# KiCad board Encoder_SPI_AS5047P_panel.kicad_pcb (continued)
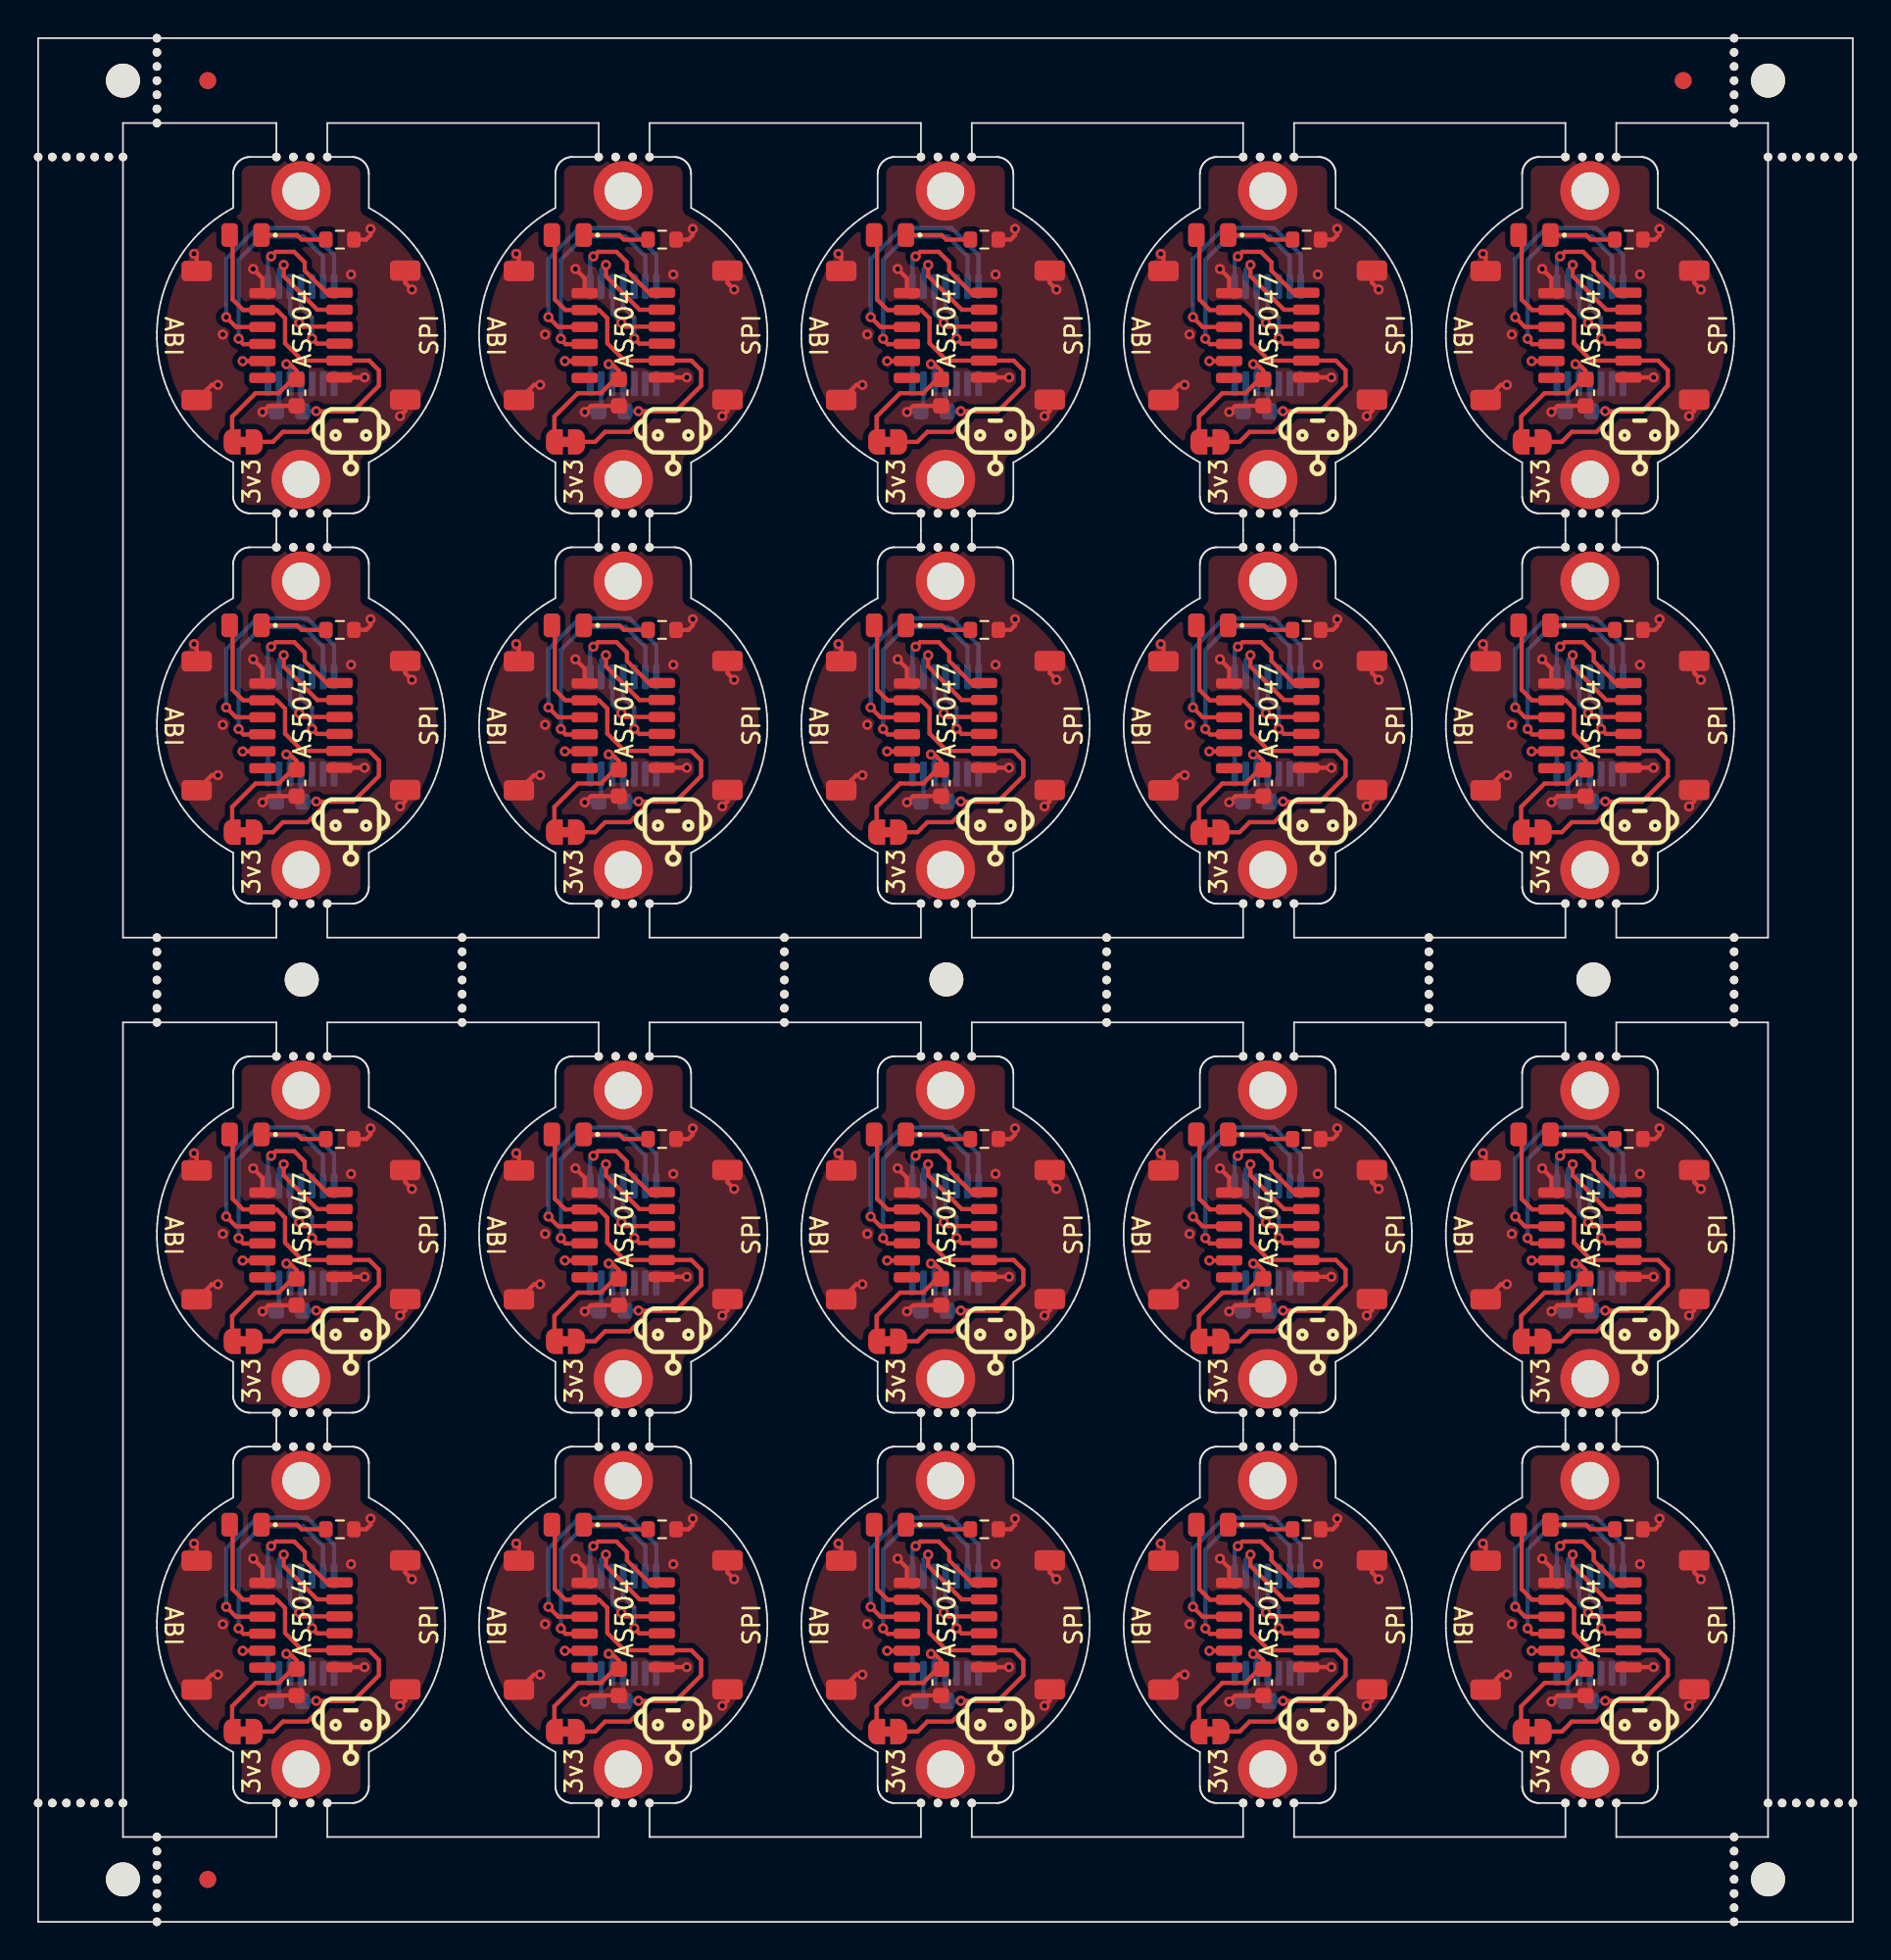
[diagram p0: board, top side]
## Placement (name value [footprint] x y rotation side) (continued)
REF**#95  -  [NPTH]  91.05 81 0 top
REF**#96  -  [NPTH]  72.05 30 0 top
REF**#97  -  [NPTH]  93.05 104 0 top
REF**#98  -  [NPTH]  103.66 7 0 top
REF**#99  -  [NPTH]  73.05 83 0 top
REF**#100  -  [NPTH]  7 110.17 0 top
REF**#101  -  [NPTH#2]  15.54 55.52 0 top
REF**#102  -  [NPTH]  99.99 107.67 0 top
REF**#103  -  [NPTH]  63 57.17 0 top
REF**#104  -  [NPTH]  7 54.67 0 top
REF**#105  -  [NPTH]  55.05 28 0 top
REF**#106  -  [NPTH]  15.05 104 0 top
REF**#107  -  [NPTH]  71.05 28 0 top
REF**#108  -  [NPTH]  73.05 28 0 top
REF**#109  -  [NPTH]  99.99 1.67 0 top
REF**#110  -  [NPTH]  34.05 83 0 top
REF**#111  -  [NPTH]  15.05 51 0 top
REF**#112  -  [NPTH]  73.05 81 0 top
REF**#113  -  [NPTH]  99.99 4.17 0 top
REF**#114  -  [NPTH]  72.05 81 0 top
REF**#115  -  [NPTH]  15.05 81 0 top
REF**#116  -  [NPTH]  55.05 7 0 top
REF**#117  -  [NPTH]  53.05 7 0 top
REF**#118  -  [NPTH]  99.99 3.33 0 top
REF**#119  -  [NPTH]  2.5 7 0 top
REF**#120  -  [NPTH]  7 106.83 0 top
REF**#121  -  [NPTH]  99.99 5 0 top
REF**#122  -  [NPTH]  82 53 0 top
REF**#123  -  [NPTH]  52.05 51 0 top
REF**#124  -  [NPTH]  73.05 60 0 top
REF**#125  -  [NPTH]  25 56.33 0 top
REF**#126  -  [NPTH]  99.99 106 0 top
REF**#127  -  [NPTH]  74.05 28 0 top
REF**#128  -  [NPTH]  36.05 28 0 top
REF**#129  -  [NPTH]  71.05 51 0 top
REF**#130  -  [NPTH]  16.05 81 0 top
REF**#131  -  [NPTH]  35.05 83 0 top
REF**#132  -  [NPTH]  63 53 0 top
REF**#133  -  [NPTH]  92.05 81 0 top
REF**#134  -  [NPTH#2]  53.55 55.53 0 top
REF**#135  -  [NPTH]  36.05 30 0 top
REF**#136  -  [NPTH]  93.05 7 0 top
REF**#137  -  [NPTH]  16.05 60 0 top
REF**#138  -  [NPTH]  72.05 104 0 top
REF**#139  -  [NPTH]  99.99 0 0 top
REF**#140  -  [NPTH]  15.05 30 0 top
REF**#141  -  [NPTH]  7 106 0 top
REF**#142  -  [NPTH]  15.05 60 0 top
REF**#143  -  [NPTH]  36.05 104 0 top
REF**#144  -  [NPTH]  7 57.17 0 top
REF**#145  -  [NPTH]  4.17 7 0 top
REF**#146  -  [NPTH]  99.99 53 0 top
REF**#147  -  [NPTH]  3.33 7 0 top
REF**#148  -  [NPTH]  1.67 7 0 top
REF**#149  -  [NPTH]  99.99 58 0 top
REF**#150  -  [NPTH]  90.05 51 0 top
REF**#151  -  [NPTH]  52.05 7 0 top
REF**#152  -  [NPTH]  99.99 2.5 0 top
REF**#153  -  [NPTH]  33.05 60 0 top
REF**#154  -  [NPTH]  90.05 30 0 top
REF**#155  -  [NPTH]  93.05 30 0 top
REF**#156  -  [NPTH]  63 58 0 top
REF**#157  -  [NPTH]  33.05 51 0 top
REF**#158  -  [NPTH]  92.05 83 0 top
REF**#159  -  [NPTH]  34.05 7 0 top
REF**#160  -  [NPTH]  7 1.67 0 top
REF**#161  -  [NPTH]  7 4.17 0 top
REF**#162  -  [NPTH]  74.05 83 0 top
REF**#163  -  [NPTH]  91.05 30 0 top
REF**#164  -  [NPTH]  44 58 0 top
REF**#165  -  [NPTH]  36.05 83 0 top
REF**#166  -  [NPTH]  82 56.33 0 top
REF**#167  -  [NPTH]  36.05 81 0 top
REF**#168  -  [NPTH]  73.05 30 0 top
REF**#169  -  [NPTH]  93.05 60 0 top
REF**#170  -  [NPTH]  74.05 81 0 top
REF**#171  -  [NPTH]  63 53.83 0 top
REF**#172  -  [NPTH]  34.05 51 0 top
REF**#173  -  [NPTH]  52.05 104 0 top
REF**#174  -  [NPTH]  55.05 83 0 top
REF**#175  -  [NPTH]  52.05 60 0 top
REF**#176  -  [NPTH]  73.05 104 0 top
REF**#177  -  [NPTH]  90.05 81 0 top
REF**#178  -  [Fiducial]  10 108.5 0 top
REF**#179  -  [NPTH]  16.05 30 0 top
REF**#180  -  [NPTH]  55.05 60 0 top
REF**#181  -  [NPTH]  16.05 83 0 top
REF**#182  -  [NPTH]  99.99 54.67 0 top
REF**#183  -  [NPTH]  106.16 104 0 top
REF**#184  -  [NPTH]  52.05 28 0 top
REF**#185  -  [NPTH]  90.05 60 0 top
REF**#186  -  [NPTH]  106.16 7 0 top
REF**#187  -  [NPTH]  7 2.5 0 top
REF**#188  -  [NPTH]  14.05 51 0 top
REF**#189  -  [NPTH]  17.05 81 0 top
REF**#190  -  [NPTH]  52.05 83 0 top
REF**#191  -  [NPTH]  14.05 60 0 top
REF**#192  -  [NPTH]  14.05 28 0 top
REF**#193  -  [NPTH]  17.05 30 0 top
REF**#194  -  [NPTH]  82 53.83 0 top
REF**#195  -  [NPTH]  93.05 83 0 top
REF**#196  -  [NPTH]  25 53.83 0 top
REF**#197  -  [NPTH]  14.05 104 0 top
REF**#198  -  [NPTH]  17.05 7 0 top
REF**#199  -  [NPTH]  92.05 60 0 top
REF**#200  -  [NPTH]  33.05 7 0 top
REF**#201  -  [NPTH]  17.05 51 0 top
REF**#202  -  [NPTH]  16.05 104 0 top
REF**#203  -  [NPTH]  25 57.17 0 top
REF**#204  -  [NPTH]  25 53 0 top
REF**#205  -  [NPTH]  33.05 30 0 top
REF**#206  -  [NPTH]  91.05 60 0 top
REF**#207  -  [NPTH]  71.05 81 0 top
REF**#208  -  [NPTH]  74.05 60 0 top
REF**#209  -  [NPTH]  99.99 109.33 0 top
REF**#210  -  [NPTH]  7 58 0 top
REF**#211  -  [NPTH#2]  5 2.5 0 top
REF**#212  -  [NPTH]  44 53.83 0 top
REF**#213  -  [NPTH]  90.05 104 0 top
REF**#214  -  [NPTH]  82 58 0 top
REF**#215  -  [NPTH]  5 7 0 top
REF**#216  -  [NPTH]  90.05 28 0 top
REF**#217  -  [NPTH]  33.05 104 0 top
REF**#218  -  [NPTH]  35.05 81 0 top
REF**#219  -  [NPTH]  36.05 51 0 top
REF**#220  -  [NPTH]  7 111 0 top
REF**#221  -  [Fiducial]  10 2.5 0 top
REF**#222  -  [NPTH]  25 55.5 0 top
REF**#223  -  [NPTH]  7 107.67 0 top
REF**#224  -  [NPTH]  7 55.5 0 top
REF**#225  -  [NPTH]  72.05 7 0 top
REF**#226  -  [NPTH]  99.99 108.5 0 top
REF**#227  -  [NPTH]  73.05 7 0 top
REF**#228  -  [NPTH]  7 3.33 0 top
REF**#229  -  [NPTH]  33.05 81 0 top
REF**#230  -  [NPTH]  63 56.33 0 top
REF**#231  -  [NPTH]  53.05 51 0 top
REF**#232  -  [NPTH]  53.05 30 0 top
REF**#233  -  [NPTH]  92.05 7 0 top
REF**#234  -  [NPTH]  55.05 51 0 top
REF**#235  -  [NPTH]  17.05 104 0 top
REF**#236  -  [NPTH]  54.05 28 0 top
REF**#237  -  [NPTH]  102.83 7 0 top
REF**#238  -  [NPTH]  36.05 7 0 top
REF**#239  -  [NPTH]  82 54.67 0 top
REF**#240  -  [NPTH]  7 108.5 0 top
REF**#241  -  [NPTH]  99.99 110.17 0 top
REF**#242  -  [NPTH]  72.05 51 0 top
REF**#243  -  [NPTH]  34.05 81 0 top
REF**#244  -  [NPTH]  90.05 83 0 top
REF**#245  -  [NPTH]  71.05 30 0 top
REF**#246  -  [NPTH]  72.05 28 0 top
REF**#247  -  [NPTH]  14.05 30 0 top
REF**#248  -  [NPTH]  54.05 51 0 top
REF**#249  -  [NPTH]  7 109.33 0 top
REF**#250  -  [NPTH]  17.05 83 0 top
REF**#251  -  [NPTH]  53.05 104 0 top
REF**#252  -  [NPTH]  74.05 104 0 top
REF**#253  -  [NPTH]  14.05 83 0 top
REF**#254  -  [NPTH]  74.05 7 0 top
REF**#255  -  [NPTH]  102.83 104 0 top
REF**#256  -  [NPTH]  5 104 0 top
REF**#257  -  [NPTH]  34.05 28 0 top
REF**#258  -  [NPTH#2]  101.99 2.5 0 top
REF**#259  -  [NPTH]  99.99 111 0 top
REF**#260  -  [Fiducial]  96.99 108.5 0 top
REF**#261  -  [NPTH]  55.05 30 0 top
REF**#262  -  [NPTH]  2.5 104 0 top
REF**#263  -  [NPTH]  34.05 60 0 top
REF**#264  -  [NPTH]  53.05 81 0 top
REF**#265  -  [NPTH]  92.05 28 0 top
REF**#266  -  [NPTH]  15.05 83 0 top
REF**#267  -  [NPTH]  36.05 60 0 top
REF**#268  -  [NPTH#2]  101.99 108.5 0 top
REF**#269  -  [Fiducial]  96.99 108.5 0 bottom
REF**#270  -  [Fiducial]  10 2.5 0 bottom
REF**#271  -  [Fiducial]  10 108.5 0 bottom
U2  AS5047D  [TSSOP-14_4.4x5mm_P0.65mm]  34.5 40.5 270 bottom
U2#2  AS5047D  [TSSOP-14_4.4x5mm_P0.65mm]  15.5 40.5 270 bottom
U2#3  AS5047D  [TSSOP-14_4.4x5mm_P0.65mm]  53.5 40.5 270 bottom
U2#4  AS5047D  [TSSOP-14_4.4x5mm_P0.65mm]  72.5 40.5 270 bottom
U2#5  AS5047D  [TSSOP-14_4.4x5mm_P0.65mm]  91.5 40.5 270 bottom
U2#6  AS5047D  [TSSOP-14_4.4x5mm_P0.65mm]  15.5 70.5 270 bottom
U2#7  AS5047D  [TSSOP-14_4.4x5mm_P0.65mm]  91.5 93.5 270 bottom
U2#8  AS5047D  [TSSOP-14_4.4x5mm_P0.65mm]  53.5 17.5 270 bottom
U2#9  AS5047D  [TSSOP-14_4.4x5mm_P0.65mm]  53.5 70.5 270 bottom
U2#10  AS5047D  [TSSOP-14_4.4x5mm_P0.65mm]  15.5 17.5 270 bottom
U2#11  AS5047D  [TSSOP-14_4.4x5mm_P0.65mm]  34.5 93.5 270 bottom
U2#12  AS5047D  [TSSOP-14_4.4x5mm_P0.65mm]  34.5 17.5 270 bottom
U2#13  AS5047D  [TSSOP-14_4.4x5mm_P0.65mm]  15.5 93.5 270 bottom
U2#14  AS5047D  [TSSOP-14_4.4x5mm_P0.65mm]  91.5 17.5 270 bottom
U2#15  AS5047D  [TSSOP-14_4.4x5mm_P0.65mm]  34.5 70.5 270 bottom
U2#16  AS5047D  [TSSOP-14_4.4x5mm_P0.65mm]  72.5 70.5 270 bottom
U2#17  AS5047D  [TSSOP-14_4.4x5mm_P0.65mm]  72.5 93.5 270 bottom
U2#18  AS5047D  [TSSOP-14_4.4x5mm_P0.65mm]  91.5 70.5 270 bottom
U2#19  AS5047D  [TSSOP-14_4.4x5mm_P0.65mm]  53.5 93.5 270 bottom
U2#20  AS5047D  [TSSOP-14_4.4x5mm_P0.65mm]  72.5 17.5 270 bottom

## Library data of the parts
C1 C1#2-C1#20 C2 C2#2-C2#20 = -: Description: Unpolarized capacitor, small symbol
D1 D1#2-D1#20 = -: Description: Light emitting diode, small symbol; Notes: inexpensive green LED please
H1 H1#2-H1#20 H2 H2#2-H2#20 = -: Description: Mounting Hole with connection
J1 J1#2-J1#20 = -: Description: Generic connectable mounting pin connector, single row, 01x06, script generated (kicad-library-utils/schlib/autogen/connector/); Manu: Scondar Electronic Limited; Notes: JST SH_SM06B-SRSS-TB_1x06-1MP_P1.00mm_Horizontal or compatible; Part: SCT-WR-S-06P; Port: SPI
J2 J2#2-J2#20 = -: Description: Generic connectable mounting pin connector, single row, 01x06, script generated (kicad-library-utils/schlib/autogen/connector/); Manu: Scondar Electronic Limited; Notes: JST SH_SM06B-SRSS-TB_1x06-1MP_P1.00mm_Horizontal or compatible; Part: SCT-WR-S-06P; Port: ABI
JP1 JP1#2-JP1#20 = -: Description: Solder Jumper, 2-pole, closed/bridged
R1 R1#2-R1#20 = -: Description: Resistor, small symbol; Manu: Generic; Part: Generic 2k2 Resistor
U2 U2#2-U2#20 = -: Description: On-Axis Magnetic Position Sensor, 14-bit, PWM Output, ABI Output, UVW Output, SPI Interface, TSSOP-14

## Footprints (pads in the part's own frame, mm; a bottom-side part is the same pattern mirrored in y, then rotated)
C_0603_1608Metric
  rrect 0.9x0.95 smd: 1(-0.775,0) 2(0.775,0)
Fiducial
  round 1 smd: (0,0)
JST_SH_SM06B-SRSS-TB_1x06-1MP_P1.00mm_Horizontal
  rrect 0.6x1.55 smd: 1(-2.5,2) 2(-1.5,2) 3(-0.5,2) 4(0.5,2) 5(1.5,2) 6(2.5,2)
  rrect 1.2x1.8 smd: MP(-3.8,-1.875) MP(3.8,-1.875)
LED_0805_2012Metric
  rrect 0.975x1.4 smd: 1(-0.938,0) 2(0.938,0)
MountingHole_2.2mm_M2_ISO7380_Pad
  round 3.5 hole 2.2: 1(0,0)
NPTH
  round 0.5 hole 0.5 unplated: (0,0)
NPTH#2
  round 2 hole 2 unplated: (0,0)
R_0603_1608Metric
  rrect 0.8x0.95 smd: 1(-0.825,0) 2(0.825,0)
SolderJumper-2_P1.3mm_Bridged_RoundedPad1.0x1.5mm
  custom 1x1.5 smd: 1(-0.65,0) 2(0.65,0)
TSSOP-14_4.4x5mm_P0.65mm
  rrect 1.475x0.4 smd: 1(-2.862,1.95) 2(-2.862,1.3) 3(-2.862,0.65) 4(-2.862,0) 5(-2.862,-0.65) 6(-2.862,-1.3) 7(-2.862,-1.95) 8(2.862,-1.95) 9(2.862,-1.3) 10(2.862,-0.65) 11(2.862,0) 12(2.862,0.65) 13(2.862,1.3) 14(2.862,1.95)

## Nets
Board_0-/3v3: C1#8.2 JP1#7.1 U2#13.12
Board_1-/3v3: C1#19.2 JP1#19.1 U2#11.12
Board_2-/3v3: C1#6.2 JP1#17.1 U2#19.12
Board_3-/3v3: C1#5.2 JP1#8.1 U2#17.12
Board_4-/3v3: C1#15.2 JP1.1 U2#7.12
Board_5-/3v3: C1#11.2 JP1#18.1 U2#6.12
Board_6-/3v3: C1#10.2 JP1#3.1 U2#15.12
Board_7-/3v3: C1#12.2 JP1#10.1 U2#9.12
Board_8-/3v3: C1#14.2 JP1#13.1 U2#16.12
Board_9-/3v3: C1#20.2 JP1#5.1 U2#18.12
Board_10-/3v3: C1#9.2 JP1#12.1 U2#2.12
Board_11-/3v3: C1.2 JP1#14.1 U2.12
Board_12-/3v3: C1#16.2 JP1#6.1 U2#3.12
Board_13-/3v3: C1#18.2 JP1#2.1 U2#4.12
Board_14-/3v3: C1#7.2 JP1#4.1 U2#5.12
Board_15-/3v3: C1#3.2 JP1#16.1 U2#10.12
Board_16-/3v3: C1#13.2 JP1#15.1 U2#12.12
Board_17-/3v3: C1#2.2 JP1#9.1 U2#8.12
Board_18-/3v3: C1#4.2 JP1#11.1 U2#20.12
Board_19-/3v3: C1#17.2 JP1#20.1 U2#14.12
Board_0-/A: J2#17.3 U2#13.7
Board_0-/B: J2#17.4 U2#13.6
Board_0-/I: J2#17.5 U2#13.14
Board_0-/MISO: J1.4 U2#13.3
Board_0-/MOSI: J1.3 U2#13.4
Board_0-/nCS: J1.6 U2#13.1
Board_0-/SCK: J1.5 U2#13.2
Board_0-GND: C1#8.1 C2#7.1 H1#12.1 H2#4.1 J1.1 J1.MP J2#17.1 J2#17.MP R1#3.2 U2#13.5 U2#13.13
Board_0-Net-(D1-K): D1#6.1 R1#3.1
Board_0-unconnected-(J2-Pin_6-Pad6): J2#17.6
Board_0-unconnected-(U2-U-Pad10): U2#13.10
Board_0-unconnected-(U2-V-Pad9): U2#13.9
Board_0-unconnected-(U2-W/PWM-Pad8): U2#13.8
Board_0-VCC: C2#7.2 D1#6.2 J1.2 J2#17.2 JP1#7.2 U2#13.11
Board_1-/A: J2#14.3 U2#11.7
Board_1-/B: J2#14.4 U2#11.6
Board_1-/I: J2#14.5 U2#11.14
Board_1-/MISO: J1#6.4 U2#11.3
Board_1-/MOSI: J1#6.3 U2#11.4
Board_1-/nCS: J1#6.6 U2#11.1
Board_1-/SCK: J1#6.5 U2#11.2
Board_1-GND: C1#19.1 C2#9.1 H1#10.1 H2#11.1 J1#6.1 J1#6.MP J2#14.1 J2#14.MP R1#9.2 U2#11.5 U2#11.13
Board_1-Net-(D1-K): D1#4.1 R1#9.1
Board_1-unconnected-(J2-Pin_6-Pad6): J2#14.6
Board_1-unconnected-(U2-U-Pad10): U2#11.10
Board_1-unconnected-(U2-V-Pad9): U2#11.9
Board_1-unconnected-(U2-W/PWM-Pad8): U2#11.8
Board_1-VCC: C2#9.2 D1#4.2 J1#6.2 J2#14.2 JP1#19.2 U2#11.11
Board_2-/A: J2#7.3 U2#19.7
Board_2-/B: J2#7.4 U2#19.6
Board_2-/I: J2#7.5 U2#19.14
Board_2-/MISO: J1#9.4 U2#19.3
Board_2-/MOSI: J1#9.3 U2#19.4
Board_2-/nCS: J1#9.6 U2#19.1
Board_2-/SCK: J1#9.5 U2#19.2
Board_2-GND: C1#6.1 C2#5.1 H1#13.1 H2#7.1 J1#9.1 J1#9.MP J2#7.1 J2#7.MP R1#7.2 U2#19.5 U2#19.13
Board_2-Net-(D1-K): D1#19.1 R1#7.1
Board_2-unconnected-(J2-Pin_6-Pad6): J2#7.6
Board_2-unconnected-(U2-U-Pad10): U2#19.10
Board_2-unconnected-(U2-V-Pad9): U2#19.9
Board_2-unconnected-(U2-W/PWM-Pad8): U2#19.8
Board_2-VCC: C2#5.2 D1#19.2 J1#9.2 J2#7.2 JP1#17.2 U2#19.11
Board_3-/A: J2#15.3 U2#17.7
Board_3-/B: J2#15.4 U2#17.6
Board_3-/I: J2#15.5 U2#17.14
Board_3-/MISO: J1#10.4 U2#17.3
Board_3-/MOSI: J1#10.3 U2#17.4
Board_3-/nCS: J1#10.6 U2#17.1
Board_3-/SCK: J1#10.5 U2#17.2
Board_3-GND: C1#5.1 C2#18.1 H1#18.1 H2#3.1 J1#10.1 J1#10.MP J2#15.1 J2#15.MP R1#4.2 U2#17.5 U2#17.13
Board_3-Net-(D1-K): D1#12.1 R1#4.1
Board_3-unconnected-(J2-Pin_6-Pad6): J2#15.6
Board_3-unconnected-(U2-U-Pad10): U2#17.10
Board_3-unconnected-(U2-V-Pad9): U2#17.9
Board_3-unconnected-(U2-W/PWM-Pad8): U2#17.8
Board_3-VCC: C2#18.2 D1#12.2 J1#10.2 J2#15.2 JP1#8.2 U2#17.11
Board_4-/A: J2#2.3 U2#7.7
Board_4-/B: J2#2.4 U2#7.6
Board_4-/I: J2#2.5 U2#7.14
Board_4-/MISO: J1#14.4 U2#7.3
Board_4-/MOSI: J1#14.3 U2#7.4
Board_4-/nCS: J1#14.6 U2#7.1
Board_4-/SCK: J1#14.5 U2#7.2
Board_4-GND: C1#15.1 C2.1 H1#6.1 H2#5.1 J1#14.1 J1#14.MP J2#2.1 J2#2.MP R1#17.2 U2#7.5 U2#7.13
Board_4-Net-(D1-K): D1#2.1 R1#17.1
Board_4-unconnected-(J2-Pin_6-Pad6): J2#2.6
Board_4-unconnected-(U2-U-Pad10): U2#7.10
Board_4-unconnected-(U2-V-Pad9): U2#7.9
Board_4-unconnected-(U2-W/PWM-Pad8): U2#7.8
Board_4-VCC: C2.2 D1#2.2 J1#14.2 J2#2.2 JP1.2 U2#7.11
Board_5-/A: J2#8.3 U2#6.7
Board_5-/B: J2#8.4 U2#6.6
Board_5-/I: J2#8.5 U2#6.14
Board_5-/MISO: J1#19.4 U2#6.3
Board_5-/MOSI: J1#19.3 U2#6.4
Board_5-/nCS: J1#19.6 U2#6.1
Board_5-/SCK: J1#19.5 U2#6.2
Board_5-GND: C1#11.1 C2#3.1 H1#3.1 H2#6.1 J1#19.1 J1#19.MP J2#8.1 J2#8.MP R1#14.2 U2#6.5 U2#6.13
Board_5-Net-(D1-K): D1#18.1 R1#14.1
Board_5-unconnected-(J2-Pin_6-Pad6): J2#8.6
Board_5-unconnected-(U2-U-Pad10): U2#6.10
Board_5-unconnected-(U2-V-Pad9): U2#6.9
Board_5-unconnected-(U2-W/PWM-Pad8): U2#6.8
Board_5-VCC: C2#3.2 D1#18.2 J1#19.2 J2#8.2 JP1#18.2 U2#6.11
Board_6-/A: J2#5.3 U2#15.7
Board_6-/B: J2#5.4 U2#15.6
Board_6-/I: J2#5.5 U2#15.14
Board_6-/MISO: J1#2.4 U2#15.3
Board_6-/MOSI: J1#2.3 U2#15.4
Board_6-/nCS: J1#2.6 U2#15.1
Board_6-/SCK: J1#2.5 U2#15.2
Board_6-GND: C1#10.1 C2#20.1 H1#17.1 H2#8.1 J1#2.1 J1#2.MP J2#5.1 J2#5.MP R1#11.2 U2#15.5 U2#15.13
Board_6-Net-(D1-K): D1#5.1 R1#11.1
Board_6-unconnected-(J2-Pin_6-Pad6): J2#5.6
Board_6-unconnected-(U2-U-Pad10): U2#15.10
Board_6-unconnected-(U2-V-Pad9): U2#15.9
Board_6-unconnected-(U2-W/PWM-Pad8): U2#15.8
Board_6-VCC: C2#20.2 D1#5.2 J1#2.2 J2#5.2 JP1#3.2 U2#15.11
Board_7-/A: J2#16.3 U2#9.7
Board_7-/B: J2#16.4 U2#9.6
Board_7-/I: J2#16.5 U2#9.14
Board_7-/MISO: J1#12.4 U2#9.3
Board_7-/MOSI: J1#12.3 U2#9.4
Board_7-/nCS: J1#12.6 U2#9.1
Board_7-/SCK: J1#12.5 U2#9.2
Board_7-GND: C1#12.1 C2#10.1 H1#14.1 H2#20.1 J1#12.1 J1#12.MP J2#16.1 J2#16.MP R1#15.2 U2#9.5 U2#9.13
Board_7-Net-(D1-K): D1#9.1 R1#15.1
Board_7-unconnected-(J2-Pin_6-Pad6): J2#16.6
Board_7-unconnected-(U2-U-Pad10): U2#9.10
Board_7-unconnected-(U2-V-Pad9): U2#9.9
Board_7-unconnected-(U2-W/PWM-Pad8): U2#9.8
Board_7-VCC: C2#10.2 D1#9.2 J1#12.2 J2#16.2 JP1#10.2 U2#9.11
Board_8-/A: J2#20.3 U2#16.7
Board_8-/B: J2#20.4 U2#16.6
Board_8-/I: J2#20.5 U2#16.14
Board_8-/MISO: J1#3.4 U2#16.3
Board_8-/MOSI: J1#3.3 U2#16.4
Board_8-/nCS: J1#3.6 U2#16.1
Board_8-/SCK: J1#3.5 U2#16.2
Board_8-GND: C1#14.1 C2#11.1 H1#15.1 H2#10.1 J1#3.1 J1#3.MP J2#20.1 J2#20.MP R1#13.2 U2#16.5 U2#16.13
Board_8-Net-(D1-K): D1#20.1 R1#13.1
Board_8-unconnected-(J2-Pin_6-Pad6): J2#20.6
Board_8-unconnected-(U2-U-Pad10): U2#16.10
Board_8-unconnected-(U2-V-Pad9): U2#16.9
Board_8-unconnected-(U2-W/PWM-Pad8): U2#16.8
Board_8-VCC: C2#11.2 D1#20.2 J1#3.2 J2#20.2 JP1#13.2 U2#16.11
Board_9-/A: J2#12.3 U2#18.7
Board_9-/B: J2#12.4 U2#18.6
Board_9-/I: J2#12.5 U2#18.14
Board_9-/MISO: J1#7.4 U2#18.3
Board_9-/MOSI: J1#7.3 U2#18.4
Board_9-/nCS: J1#7.6 U2#18.1
Board_9-/SCK: J1#7.5 U2#18.2
Board_9-GND: C1#20.1 C2#13.1 H1#9.1 H2#16.1 J1#7.1 J1#7.MP J2#12.1 J2#12.MP R1#5.2 U2#18.5 U2#18.13
Board_9-Net-(D1-K): D1#11.1 R1#5.1
Board_9-unconnected-(J2-Pin_6-Pad6): J2#12.6
Board_9-unconnected-(U2-U-Pad10): U2#18.10
Board_9-unconnected-(U2-V-Pad9): U2#18.9
Board_9-unconnected-(U2-W/PWM-Pad8): U2#18.8
Board_9-VCC: C2#13.2 D1#11.2 J1#7.2 J2#12.2 JP1#5.2 U2#18.11
Board_10-/A: J2#19.3 U2#2.7
Board_10-/B: J2#19.4 U2#2.6
Board_10-/I: J2#19.5 U2#2.14
Board_10-/MISO: J1#8.4 U2#2.3
Board_10-/MOSI: J1#8.3 U2#2.4
Board_10-/nCS: J1#8.6 U2#2.1
Board_10-/SCK: J1#8.5 U2#2.2
Board_10-GND: C1#9.1 C2#16.1 H1#4.1 H2#9.1 J1#8.1 J1#8.MP J2#19.1 J2#19.MP R1#16.2 U2#2.5 U2#2.13
Board_10-Net-(D1-K): D1#13.1 R1#16.1
Board_10-unconnected-(J2-Pin_6-Pad6): J2#19.6
Board_10-unconnected-(U2-U-Pad10): U2#2.10
Board_10-unconnected-(U2-V-Pad9): U2#2.9
Board_10-unconnected-(U2-W/PWM-Pad8): U2#2.8
Board_10-VCC: C2#16.2 D1#13.2 J1#8.2 J2#19.2 JP1#12.2 U2#2.11
Board_11-/A: J2.3 U2.7
Board_11-/B: J2.4 U2.6
Board_11-/I: J2.5 U2.14
Board_11-/MISO: J1#4.4 U2.3
Board_11-/MOSI: J1#4.3 U2.4
Board_11-/nCS: J1#4.6 U2.1
Board_11-/SCK: J1#4.5 U2.2
Board_11-GND: C1.1 C2#14.1 H1#7.1 H2.1 J1#4.1 J1#4.MP J2.1 J2.MP R1#18.2 U2.5 U2.13
Board_11-Net-(D1-K): D1#8.1 R1#18.1
Board_11-unconnected-(J2-Pin_6-Pad6): J2.6
Board_11-unconnected-(U2-U-Pad10): U2.10
Board_11-unconnected-(U2-V-Pad9): U2.9
Board_11-unconnected-(U2-W/PWM-Pad8): U2.8
Board_11-VCC: C2#14.2 D1#8.2 J1#4.2 J2.2 JP1#14.2 U2.11
Board_12-/A: J2#6.3 U2#3.7
Board_12-/B: J2#6.4 U2#3.6
Board_12-/I: J2#6.5 U2#3.14
Board_12-/MISO: J1#11.4 U2#3.3
Board_12-/MOSI: J1#11.3 U2#3.4
Board_12-/nCS: J1#11.6 U2#3.1
Board_12-/SCK: J1#11.5 U2#3.2
Board_12-GND: C1#16.1 C2#12.1 H1#2.1 H2#12.1 J1#11.1 J1#11.MP J2#6.1 J2#6.MP R1#10.2 U2#3.5 U2#3.13
Board_12-Net-(D1-K): D1#14.1 R1#10.1
Board_12-unconnected-(J2-Pin_6-Pad6): J2#6.6
Board_12-unconnected-(U2-U-Pad10): U2#3.10
Board_12-unconnected-(U2-V-Pad9): U2#3.9
Board_12-unconnected-(U2-W/PWM-Pad8): U2#3.8
Board_12-VCC: C2#12.2 D1#14.2 J1#11.2 J2#6.2 JP1#6.2 U2#3.11
Board_13-/A: J2#18.3 U2#4.7
Board_13-/B: J2#18.4 U2#4.6
Board_13-/I: J2#18.5 U2#4.14
Board_13-/MISO: J1#15.4 U2#4.3
Board_13-/MOSI: J1#15.3 U2#4.4
Board_13-/nCS: J1#15.6 U2#4.1
Board_13-/SCK: J1#15.5 U2#4.2
Board_13-GND: C1#18.1 C2#17.1 H1#8.1 H2#19.1 J1#15.1 J1#15.MP J2#18.1 J2#18.MP R1#19.2 U2#4.5 U2#4.13
Board_13-Net-(D1-K): D1#3.1 R1#19.1
Board_13-unconnected-(J2-Pin_6-Pad6): J2#18.6
Board_13-unconnected-(U2-U-Pad10): U2#4.10
Board_13-unconnected-(U2-V-Pad9): U2#4.9
Board_13-unconnected-(U2-W/PWM-Pad8): U2#4.8
Board_13-VCC: C2#17.2 D1#3.2 J1#15.2 J2#18.2 JP1#2.2 U2#4.11
Board_14-/A: J2#3.3 U2#5.7
Board_14-/B: J2#3.4 U2#5.6
Board_14-/I: J2#3.5 U2#5.14
Board_14-/MISO: J1#18.4 U2#5.3
Board_14-/MOSI: J1#18.3 U2#5.4
Board_14-/nCS: J1#18.6 U2#5.1
Board_14-/SCK: J1#18.5 U2#5.2
Board_14-GND: C1#7.1 C2#8.1 H1#16.1 H2#18.1 J1#18.1 J1#18.MP J2#3.1 J2#3.MP R1#2.2 U2#5.5 U2#5.13
Board_14-Net-(D1-K): D1#16.1 R1#2.1
Board_14-unconnected-(J2-Pin_6-Pad6): J2#3.6
Board_14-unconnected-(U2-U-Pad10): U2#5.10
Board_14-unconnected-(U2-V-Pad9): U2#5.9
Board_14-unconnected-(U2-W/PWM-Pad8): U2#5.8
Board_14-VCC: C2#8.2 D1#16.2 J1#18.2 J2#3.2 JP1#4.2 U2#5.11
Board_15-/A: J2#13.3 U2#10.7
Board_15-/B: J2#13.4 U2#10.6
Board_15-/I: J2#13.5 U2#10.14
Board_15-/MISO: J1#17.4 U2#10.3
Board_15-/MOSI: J1#17.3 U2#10.4
Board_15-/nCS: J1#17.6 U2#10.1
Board_15-/SCK: J1#17.5 U2#10.2
Board_15-GND: C1#3.1 C2#2.1 H1#20.1 H2#17.1 J1#17.1 J1#17.MP J2#13.1 J2#13.MP R1#12.2 U2#10.5 U2#10.13
Board_15-Net-(D1-K): D1#17.1 R1#12.1
Board_15-unconnected-(J2-Pin_6-Pad6): J2#13.6
Board_15-unconnected-(U2-U-Pad10): U2#10.10
Board_15-unconnected-(U2-V-Pad9): U2#10.9
Board_15-unconnected-(U2-W/PWM-Pad8): U2#10.8
Board_15-VCC: C2#2.2 D1#17.2 J1#17.2 J2#13.2 JP1#16.2 U2#10.11
Board_16-/A: J2#9.3 U2#12.7
Board_16-/B: J2#9.4 U2#12.6
Board_16-/I: J2#9.5 U2#12.14
Board_16-/MISO: J1#13.4 U2#12.3
Board_16-/MOSI: J1#13.3 U2#12.4
Board_16-/nCS: J1#13.6 U2#12.1
Board_16-/SCK: J1#13.5 U2#12.2
Board_16-GND: C1#13.1 C2#15.1 H1#11.1 H2#13.1 J1#13.1 J1#13.MP J2#9.1 J2#9.MP R1#20.2 U2#12.5 U2#12.13
Board_16-Net-(D1-K): D1#7.1 R1#20.1
Board_16-unconnected-(J2-Pin_6-Pad6): J2#9.6
Board_16-unconnected-(U2-U-Pad10): U2#12.10
Board_16-unconnected-(U2-V-Pad9): U2#12.9
Board_16-unconnected-(U2-W/PWM-Pad8): U2#12.8
Board_16-VCC: C2#15.2 D1#7.2 J1#13.2 J2#9.2 JP1#15.2 U2#12.11
Board_17-/A: J2#10.3 U2#8.7
Board_17-/B: J2#10.4 U2#8.6
Board_17-/I: J2#10.5 U2#8.14
Board_17-/MISO: J1#16.4 U2#8.3
Board_17-/MOSI: J1#16.3 U2#8.4
Board_17-/nCS: J1#16.6 U2#8.1
Board_17-/SCK: J1#16.5 U2#8.2
Board_17-GND: C1#2.1 C2#4.1 H1#19.1 H2#2.1 J1#16.1 J1#16.MP J2#10.1 J2#10.MP R1#6.2 U2#8.5 U2#8.13
Board_17-Net-(D1-K): D1#15.1 R1#6.1
Board_17-unconnected-(J2-Pin_6-Pad6): J2#10.6
Board_17-unconnected-(U2-U-Pad10): U2#8.10
Board_17-unconnected-(U2-V-Pad9): U2#8.9
Board_17-unconnected-(U2-W/PWM-Pad8): U2#8.8
Board_17-VCC: C2#4.2 D1#15.2 J1#16.2 J2#10.2 JP1#9.2 U2#8.11
Board_18-/A: J2#11.3 U2#20.7
Board_18-/B: J2#11.4 U2#20.6
Board_18-/I: J2#11.5 U2#20.14
Board_18-/MISO: J1#5.4 U2#20.3
Board_18-/MOSI: J1#5.3 U2#20.4
Board_18-/nCS: J1#5.6 U2#20.1
Board_18-/SCK: J1#5.5 U2#20.2
Board_18-GND: C1#4.1 C2#19.1 H1.1 H2#15.1 J1#5.1 J1#5.MP J2#11.1 J2#11.MP R1#8.2 U2#20.5 U2#20.13
Board_18-Net-(D1-K): D1.1 R1#8.1
Board_18-unconnected-(J2-Pin_6-Pad6): J2#11.6
Board_18-unconnected-(U2-U-Pad10): U2#20.10
Board_18-unconnected-(U2-V-Pad9): U2#20.9
Board_18-unconnected-(U2-W/PWM-Pad8): U2#20.8
Board_18-VCC: C2#19.2 D1.2 J1#5.2 J2#11.2 JP1#11.2 U2#20.11
Board_19-/A: J2#4.3 U2#14.7
Board_19-/B: J2#4.4 U2#14.6
Board_19-/I: J2#4.5 U2#14.14
Board_19-/MISO: J1#20.4 U2#14.3
Board_19-/MOSI: J1#20.3 U2#14.4
Board_19-/nCS: J1#20.6 U2#14.1
Board_19-/SCK: J1#20.5 U2#14.2
Board_19-GND: C1#17.1 C2#6.1 H1#5.1 H2#14.1 J1#20.1 J1#20.MP J2#4.1 J2#4.MP R1.2 U2#14.5 U2#14.13
Board_19-Net-(D1-K): D1#10.1 R1.1
Board_19-unconnected-(J2-Pin_6-Pad6): J2#4.6
Board_19-unconnected-(U2-U-Pad10): U2#14.10
Board_19-unconnected-(U2-V-Pad9): U2#14.9
Board_19-unconnected-(U2-W/PWM-Pad8): U2#14.8
Board_19-VCC: C2#6.2 D1#10.2 J1#20.2 J2#4.2 JP1#20.2 U2#14.11

## Via types
v1: diameter 0.6, hole 0.3, Top to Bottom, 400 vias

## Routing (per net, layer and track width the routed paths; a pad name or vN(x,y) marks a point on that pad's centre or on a via; arc(x,y) is an arc through that point)
Board_0-/3v3: length 8.7
  Top w0.25: JP1#7.1 11.44,88.7 12.82,90.08 14.18,90.08 14.98,90.88 C1#8.2 15.24,91.4 14.85,91.79 v1(14.64,91.79)
  Bottom w0.25: U2#13.12 14.85,91.58 v1(14.64,91.79)
Board_1-/3v3: length 8.7
  Top w0.25: JP1#19.1 30.44,88.7 31.82,90.08 33.18,90.08 33.98,90.88 C1#19.2 34.24,91.4 33.85,91.79 v1(33.64,91.79)
  Bottom w0.25: v1(33.64,91.79) 33.85,91.58 U2#11.12
Board_2-/3v3: length 8.7
  Top w0.25: JP1#17.1 49.44,88.7 50.82,90.08 52.18,90.08 52.98,90.88 C1#6.2 53.24,91.4 52.85,91.79 v1(52.64,91.79)
  Bottom w0.25: U2#19.12 52.85,91.58 v1(52.64,91.79)
Board_3-/3v3: length 8.7
  Top w0.25: v1(71.64,91.79) 71.85,91.79 72.24,91.4 C1#5.2 71.98,90.88 71.18,90.08 69.82,90.08 68.44,88.7 JP1#8.1
  Bottom w0.25: U2#17.12 71.85,91.58 v1(71.64,91.79)
Board_4-/3v3: length 8.7
  Top w0.25: JP1.1 87.44,88.7 88.82,90.08 90.18,90.08 90.98,90.88 C1#15.2 91.24,91.4 90.85,91.79 v1(90.64,91.79)
  Bottom w0.25: U2#7.12 90.85,91.58 v1(90.64,91.79)
Board_5-/3v3: length 8.7
  Top w0.25: v1(14.64,68.79) 14.85,68.79 15.24,68.4 C1#11.2 14.98,67.88 14.18,67.08 12.82,67.08 11.44,65.7 JP1#18.1
  Bottom w0.25: U2#6.12 14.85,68.58 v1(14.64,68.79)
Board_6-/3v3: length 8.7
  Top w0.25: JP1#3.1 30.44,65.7 31.82,67.08 33.18,67.08 33.98,67.88 C1#10.2 34.24,68.4 33.85,68.79 v1(33.64,68.79)
  Bottom w0.25: U2#15.12 33.85,68.58 v1(33.64,68.79)
Board_7-/3v3: length 8.7
  Top w0.25: JP1#10.1 49.44,65.7 50.82,67.08 52.18,67.08 52.98,67.88 C1#12.2 53.24,68.4 52.85,68.79 v1(52.64,68.79)
  Bottom w0.25: v1(52.64,68.79) 52.85,68.58 U2#9.12
Board_8-/3v3: length 8.7
  Top w0.25: v1(71.64,68.79) 71.85,68.79 72.24,68.4 C1#14.2 71.98,67.88 71.18,67.08 69.82,67.08 68.44,65.7 JP1#13.1
  Bottom w0.25: v1(71.64,68.79) 71.85,68.58 U2#16.12
Board_9-/3v3: length 8.7
  Top w0.25: JP1#5.1 87.44,65.7 88.82,67.08 90.18,67.08 90.98,67.88 C1#20.2 91.24,68.4 90.85,68.79 v1(90.64,68.79)
  Bottom w0.25: U2#18.12 90.85,68.58 v1(90.64,68.79)
Board_10-/3v3: length 8.7
  Top w0.25: JP1#12.1 11.44,35.7 12.82,37.08 14.18,37.08 14.98,37.89 C1#9.2 15.24,38.4 14.85,38.79 v1(14.64,38.79)
  Bottom w0.25: v1(14.64,38.79) 14.85,38.58 U2#2.12
Board_11-/3v3: length 8.7
  Top w0.25: JP1#14.1 30.44,35.7 31.82,37.08 33.18,37.08 33.98,37.89 C1.2 34.24,38.4 33.85,38.79 v1(33.64,38.79)
  Bottom w0.25: U2.12 33.85,38.58 v1(33.64,38.79)
Board_12-/3v3: length 8.7
  Top w0.25: v1(52.64,38.79) 52.85,38.79 53.24,38.4 C1#16.2 52.98,37.89 52.18,37.08 50.82,37.08 49.44,35.7 JP1#6.1
  Bottom w0.25: v1(52.64,38.79) 52.85,38.58 U2#3.12
Board_13-/3v3: length 8.7
  Top w0.25: v1(71.64,38.79) 71.85,38.79 72.24,38.4 C1#18.2 71.98,37.89 71.18,37.08 69.82,37.08 68.44,35.7 JP1#2.1
  Bottom w0.25: v1(71.64,38.79) 71.85,38.58 U2#4.12
Board_14-/3v3: length 8.7
  Top w0.25: JP1#4.1 87.44,35.7 88.82,37.08 90.18,37.08 90.98,37.89 C1#7.2 91.24,38.4 90.85,38.79 v1(90.64,38.79)
  Bottom w0.25: U2#5.12 90.85,38.58 v1(90.64,38.79)
Board_15-/3v3: length 8.7
  Top w0.25: v1(14.64,15.79) 14.85,15.79 15.24,15.4 C1#3.2 14.98,14.89 14.18,14.08 12.82,14.08 11.44,12.7 JP1#16.1
  Bottom w0.25: v1(14.64,15.79) 14.85,15.58 U2#10.12
Board_16-/3v3: length 8.7
  Top w0.25: v1(33.64,15.79) 33.85,15.79 34.24,15.4 C1#13.2 33.98,14.89 33.18,14.08 31.82,14.08 30.44,12.7 JP1#15.1
  Bottom w0.25: v1(33.64,15.79) 33.85,15.58 U2#12.12
Board_17-/3v3: length 8.7
  Top w0.25: JP1#9.1 49.44,12.7 50.82,14.08 52.18,14.08 52.98,14.89 C1#2.2 53.24,15.4 52.85,15.79 v1(52.64,15.79)
  Bottom w0.25: v1(52.64,15.79) 52.85,15.58 U2#8.12
Board_18-/3v3: length 8.7
  Top w0.25: v1(71.64,15.79) 71.85,15.79 72.24,15.4 C1#4.2 71.98,14.89 71.18,14.08 69.82,14.08 68.44,12.7 JP1#11.1
  Bottom w0.25: U2#20.12 71.85,15.58 v1(71.64,15.79)
Board_19-/3v3: length 8.7
  Top w0.25: v1(90.64,15.79) 90.85,15.79 91.24,15.4 C1#17.2 90.98,14.89 90.18,14.08 88.82,14.08 87.44,12.7 JP1#20.1
  Bottom w0.25: v1(90.64,15.79) 90.85,15.58 U2#14.12
Board_0-/A: length 15.4
  Top w0.25: J2#17.3 11.67,93.98 v1(11.09,94.56)
  Bottom w0.25: U2#13.7 17.45,98.22 15.86,99.81 12.91,99.81 11.09,97.99 v1(11.09,94.56)
Board_0-/B: length 14
  Top w0.25: J2#17.4 13.21,92.97 12.1,92.97 11.82,93.25 v1(11.82,93.29)
  Bottom w0.25: U2#13.6 16.8,98.14 15.63,99.31 13.19,99.31 11.82,97.94 v1(11.82,93.29)
Board_0-/I: length 3.8
  Top w0.25: J2#17.5 13.21,91.97 v1(12.06,91.97)
  Bottom w0.25: U2#13.14 13.55,91.68 13.26,91.97 v1(12.06,91.97)
Board_0-/MISO: length 4.6
  Top w0.25: J1.4 15.62,94 v1(15.39,94.23)
  Bottom w0.25: 14.86,96.12 14.86,94.75 v1(15.39,94.23)
Board_0-/MOSI: length 5.1
  Top w0.25: J1.3 16.45,93 v1(16.15,93.3)
  Bottom w0.25: v1(16.15,93.3) 16.15,94.52 15.5,95.17 U2#13.4
Board_0-/nCS: length 7.3
  Top w0.25: J1.6 17.02,96 15.72,97.3 15.72,97.79 15.1,98.41 14.01,98.41 v1(13.74,98.14)
  Bottom w0.25: U2#13.1 13.55,97.95 v1(13.74,98.14)
Board_0-/SCK: length 6.2
  Top w0.25: J1.5 16.46,95 14.48,96.98 v1(14.48,97.64)
  Bottom w0.25: v1(14.48,97.64) 14.2,97.36 U2#13.2
Board_0-GND: length 14.9
  Top w0.25: v1(9.19,98.29) 9.35,98.13 J2#17.MP ; J2#17.1 13.22,96.85 v1(12.68,97.4) ; J2#17.MP 10.24,90.57 v1(10.6,90.57) ; J1.MP 21.64,89.03 v1(21.34,88.73) ; v1(19.25,91.01) 17.78,91.01 J1.1 ; J1.MP 21.64,96.59 v1(22.04,96.19) ; v1(19.6,99.76) 19.6,99.39 19.34,99.13 R1#3.2 ; H1#12.1 15.09,85.41 ; v1(13.23,88.97) 13.59,89.34 C1#8.1
  Bottom w0.25: v1(13.23,88.97) 14.01,88.97 C2#7.1 14.2,89.16 U2#13.13
  vias: v1(10.89,93.54) v1(18.45,97.08) v1(19.34,87.6)
Board_0-Net-(D1-K): length 3.9
  Top w0.25: D1#6.1 15.27,99.4 15.54,99.13 R1#3.1
Board_0-VCC: length 27.8
  Top w0.25: JP1#7.2 13.84,87.21 14.43,87.8 15.88,87.8 16.81,88.73 16.81,89.01 ; v1(16.4,89.02) 16.41,89.01 18.58,89.01 20.09,90.52 20.09,91.43 19.52,92 J1.2 15.58,92 14.56,93.02 14.56,94.49 14.07,94.98 J2#17.2 12.09,94.98 11.47,95.6 11.47,99.22 D1#6.2
  Bottom w0.25: v1(16.4,89.02) 16.39,89.01 C2#7.2 15.5,89.11 U2#13.11
Board_1-/A: length 15.4
  Top w0.25: J2#14.3 30.67,93.98 v1(30.09,94.56)
  Bottom w0.25: v1(30.09,94.56) 30.09,97.99 31.91,99.81 34.86,99.81 36.45,98.22 U2#11.7
Board_1-/B: length 14
  Top w0.25: J2#14.4 32.21,92.97 31.1,92.97 30.82,93.25 v1(30.82,93.29)
  Bottom w0.25: U2#11.6 35.8,98.14 34.63,99.31 32.19,99.31 30.82,97.94 v1(30.82,93.29)
Board_1-/I: length 3.8
  Top w0.25: v1(31.06,91.97) 32.21,91.97 J2#14.5
  Bottom w0.25: U2#11.14 32.55,91.68 32.26,91.97 v1(31.06,91.97)
Board_1-/MISO: length 4.6
  Top w0.25: v1(34.39,94.23) 34.62,94 J1#6.4
  Bottom w0.25: v1(34.39,94.23) 33.86,94.75 33.86,96.12
Board_1-/MOSI: length 5.1
  Top w0.25: v1(35.15,93.3) 35.45,93 J1#6.3
  Bottom w0.25: U2#11.4 34.5,95.17 35.15,94.52 v1(35.15,93.3)
Board_1-/nCS: length 7.3
  Top w0.25: J1#6.6 36.02,96 34.72,97.3 34.72,97.79 34.1,98.41 33.01,98.41 v1(32.74,98.14)
  Bottom w0.25: U2#11.1 32.55,97.95 v1(32.74,98.14)
Board_1-/SCK: length 6.2
  Top w0.25: v1(33.48,97.64) 33.48,96.98 35.46,95 J1#6.5
  Bottom w0.25: U2#11.2 33.2,97.36 v1(33.48,97.64)
Board_1-GND: length 14.9
  Top w0.25: J2#14.1 32.22,96.85 v1(31.68,97.4) ; H1#10.1 34.09,85.41 ; J2#14.MP 29.24,90.57 v1(29.6,90.57) ; v1(32.23,88.97) 32.59,89.34 C1#19.1 ; v1(40.34,88.73) 40.64,89.03 J1#6.MP ; R1#9.2 38.34,99.13 38.6,99.39 v1(38.6,99.76) ; J2#14.MP 28.35,98.13 v1(28.19,98.29) ; J1#6.1 36.78,91.01 v1(38.25,91.01) ; v1(41.04,96.19) 40.64,96.59 J1#6.MP
  Bottom w0.25: U2#11.13 33.2,89.16 C2#9.1 33.01,88.97 v1(32.23,88.97)
  vias: v1(29.89,93.54) v1(37.45,97.08) v1(38.34,87.6)
Board_1-Net-(D1-K): length 3.9
  Top w0.25: D1#4.1 34.27,99.4 34.54,99.13 R1#9.1
Board_1-VCC: length 27.8
  Top w0.25: JP1#19.2 32.84,87.21 33.43,87.8 34.88,87.8 35.81,88.73 35.81,89.01 ; D1#4.2 30.47,99.22 30.47,95.6 31.09,94.98 J2#14.2 33.07,94.98 33.56,94.49 33.56,93.02 34.58,92 J1#6.2 38.52,92 39.09,91.43 39.09,90.52 37.58,89.01 35.41,89.01 v1(35.4,89.02)
  Bottom w0.25: U2#11.11 34.5,89.11 C2#9.2 35.39,89.01 v1(35.4,89.02)
Board_2-/A: length 15.4
  Top w0.25: v1(49.09,94.56) 49.67,93.98 J2#7.3
  Bottom w0.25: U2#19.7 55.45,98.22 53.86,99.81 50.91,99.81 49.09,97.99 v1(49.09,94.56)
Board_2-/B: length 14
  Top w0.25: v1(49.82,93.29) 49.82,93.25 50.1,92.97 51.21,92.97 J2#7.4
  Bottom w0.25: v1(49.82,93.29) 49.82,97.94 51.19,99.31 53.63,99.31 54.8,98.14 U2#19.6
Board_2-/I: length 3.8
  Top w0.25: v1(50.06,91.97) 51.21,91.97 J2#7.5
  Bottom w0.25: U2#19.14 51.55,91.68 51.26,91.97 v1(50.06,91.97)
Board_2-/MISO: length 4.6
  Top w0.25: v1(53.39,94.23) 53.62,94 J1#9.4
  Bottom w0.25: 52.86,96.12 52.86,94.75 v1(53.39,94.23)
Board_2-/MOSI: length 5.1
  Top w0.25: J1#9.3 54.45,93 v1(54.15,93.3)
  Bottom w0.25: U2#19.4 53.5,95.17 54.15,94.52 v1(54.15,93.3)
Board_2-/nCS: length 7.3
  Top w0.25: v1(51.74,98.14) 52.01,98.41 53.1,98.41 53.72,97.79 53.72,97.3 55.02,96 J1#9.6
  Bottom w0.25: U2#19.1 51.55,97.95 v1(51.74,98.14)
Board_2-/SCK: length 6.2
  Top w0.25: v1(52.48,97.64) 52.48,96.98 54.46,95 J1#9.5
  Bottom w0.25: U2#19.2 52.2,97.36 v1(52.48,97.64)
Board_2-GND: length 14.9
  Top w0.25: C1#6.1 51.59,89.34 v1(51.23,88.97) ; v1(57.6,99.76) 57.6,99.39 57.34,99.13 56.61,99.13 ; v1(50.68,97.4) 51.22,96.85 J2#7.1 ; H1#13.1 53.09,85.41 ; v1(60.04,96.19) 59.64,96.59 J1#9.MP ; J2#7.MP 48.24,90.57 v1(48.6,90.57) ; v1(57.25,91.01) 55.78,91.01 J1#9.1 ; J1#9.MP 59.64,89.03 v1(59.34,88.73) ; v1(47.19,98.29) 47.35,98.13 J2#7.MP
  Bottom w0.25: v1(51.23,88.97) 52.01,88.97 C2#5.1 52.2,89.16 U2#19.13
  vias: v1(48.89,93.54) v1(56.45,97.08) v1(57.34,87.6)
